# KiCad board P5S533-TVM ISA R101G.kicad_pcb (continued)
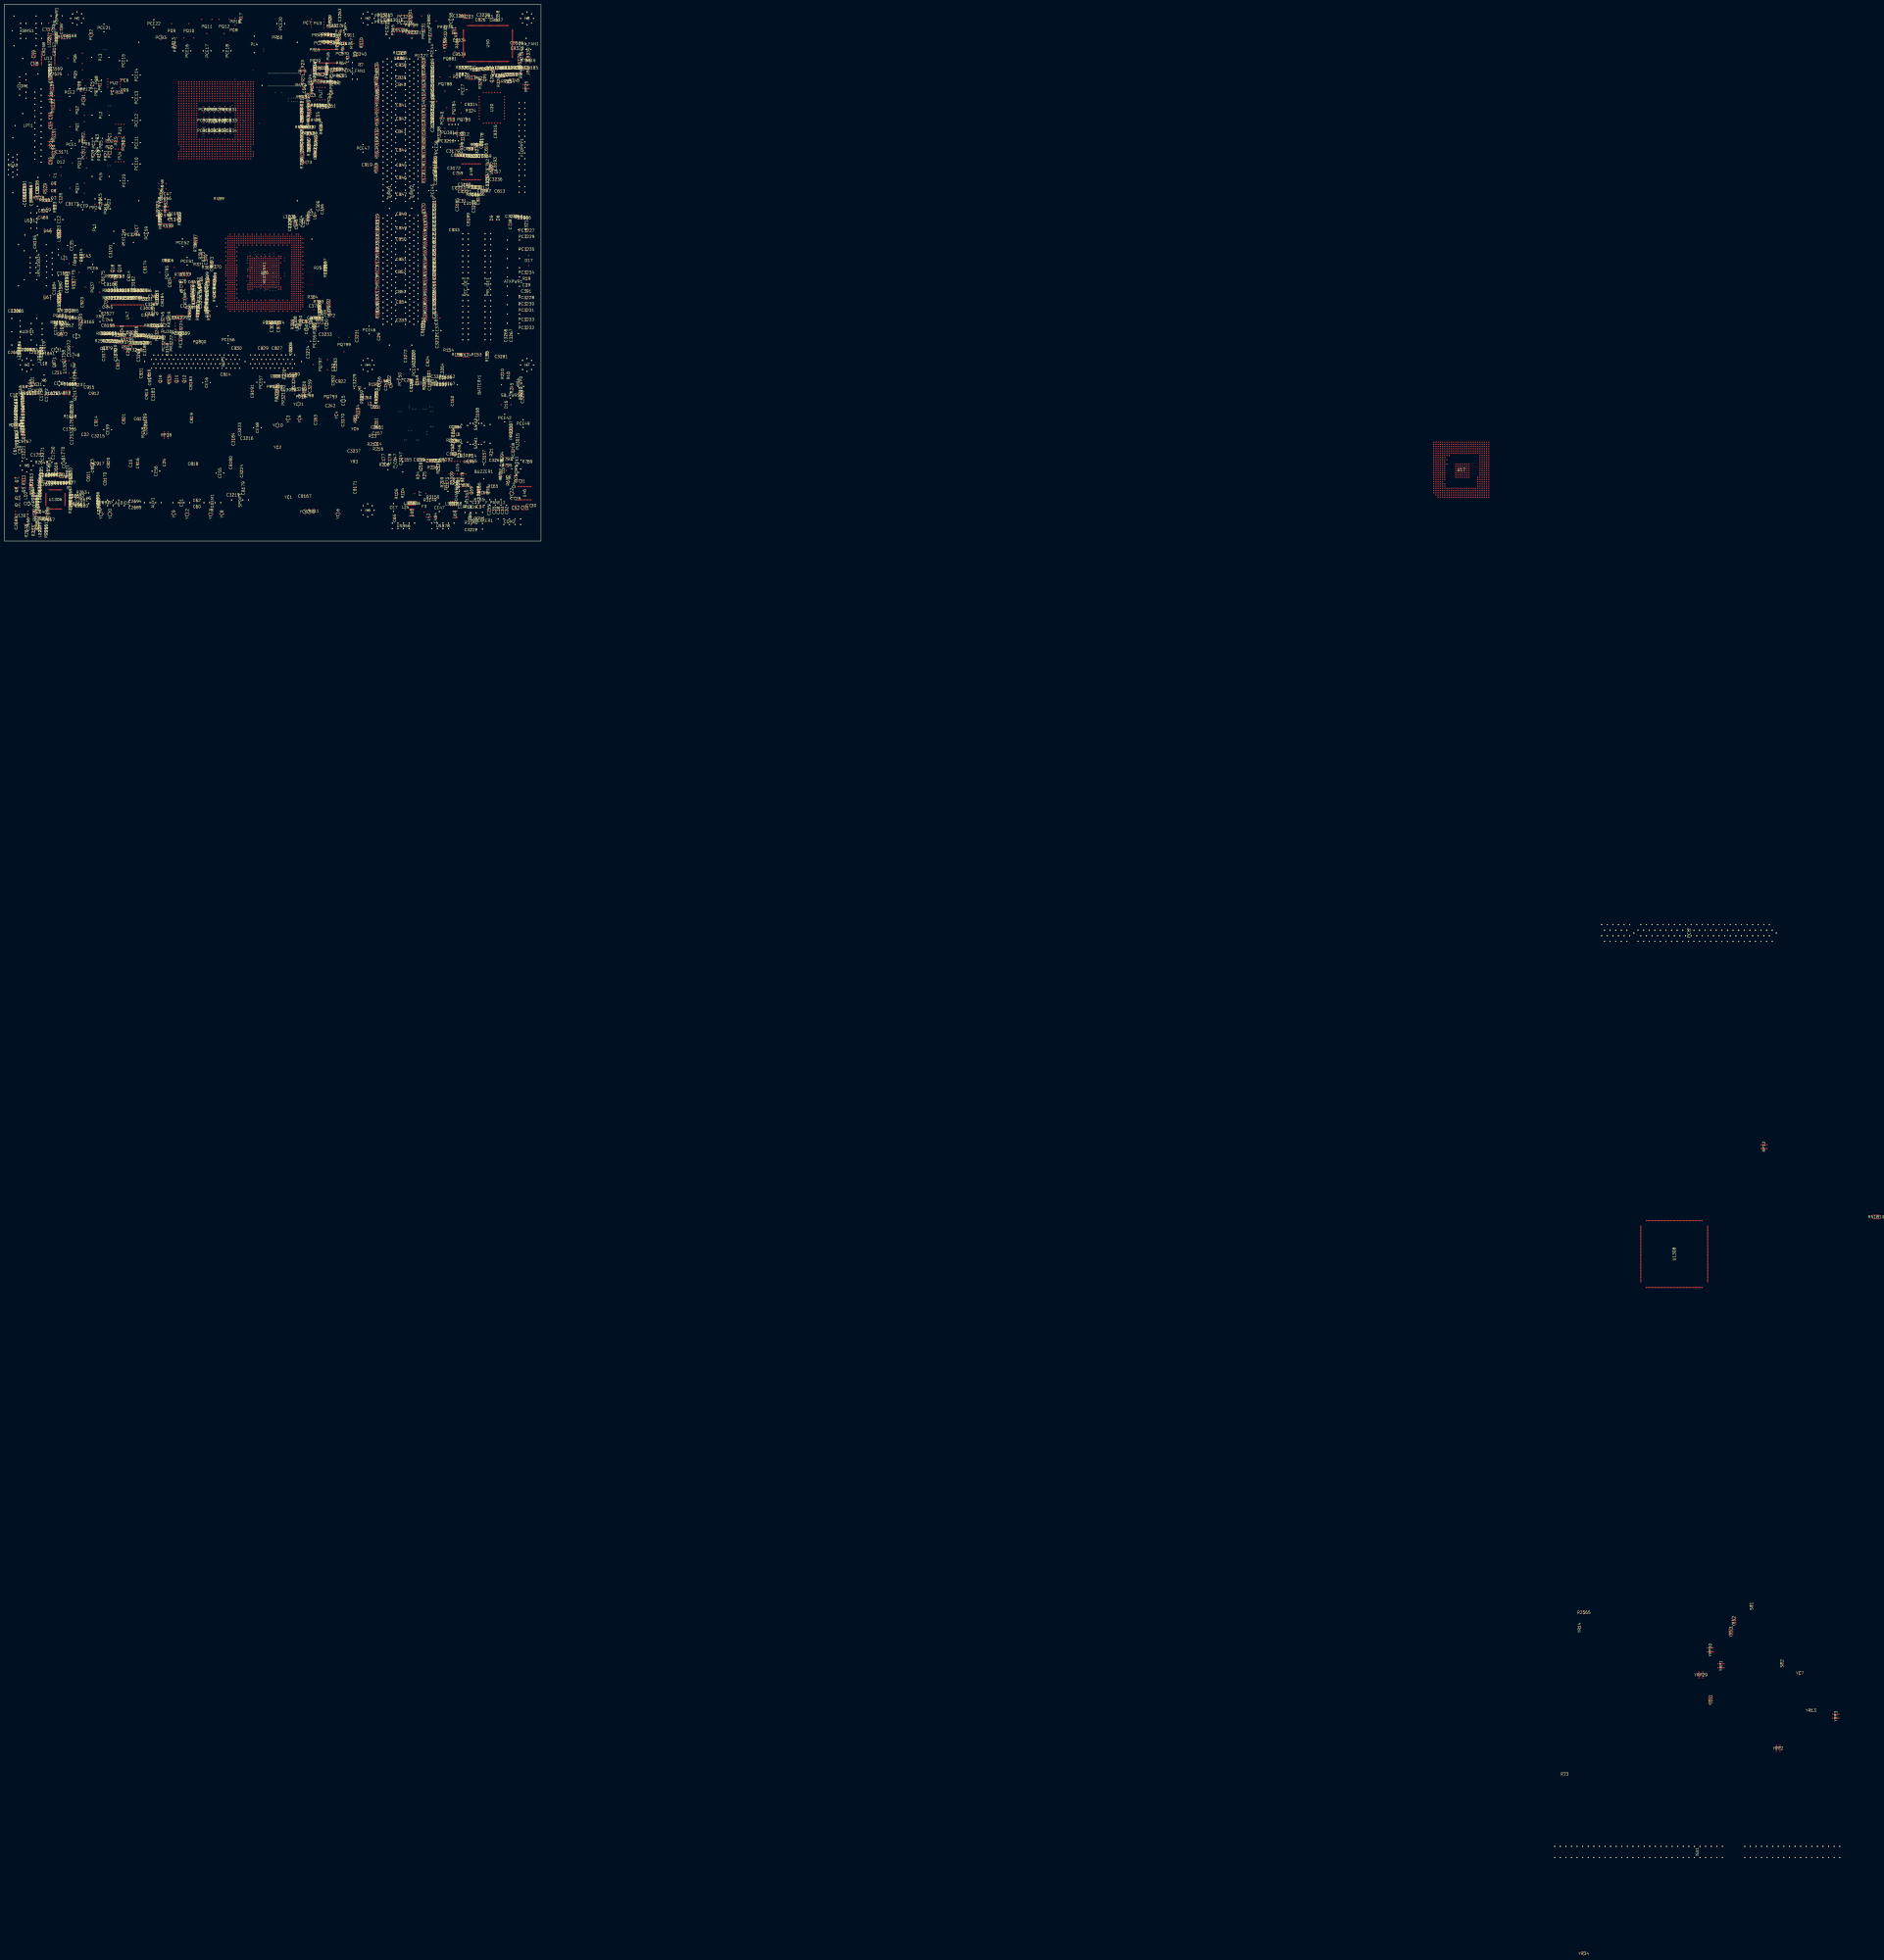
[diagram p0: board, top side]
## Footprints (pads in the part's own frame, mm; a bottom-side part is the same pattern mirrored in y, then rotated) (continued)
SLOT_PCI_120P_100_5V_LF3
  round 0.6 hole 0.4: 1(0,-25.07) 2(0,39.7) 3(3.81,37.795) 4(1.27,36.525) 5(3.81,35.255) 6(1.27,33.985) 7(3.81,32.715) 8(1.27,31.445) 9(3.81,30.175) 10(1.27,28.905) 11(3.81,27.635) 12(1.27,26.365) 13(3.81,25.095) 14(1.27,23.825) 15(3.81,22.555) 16(1.27,21.285) 17(3.81,20.015) 18(1.27,18.745) 19(3.81,17.475) 20(1.27,16.205) 21(3.81,14.935) 22(1.27,13.665) 23(3.81,12.395) 24(1.27,11.125) 25(3.81,9.855) 26(1.27,8.585) 27(3.81,7.315) 28(1.27,6.045) 29(3.81,4.775) 30(1.27,3.505) 31(3.81,2.235) 32(1.27,0.965) 33(3.81,-0.305) 34(1.27,-1.575) 35(3.81,-2.845) 36(1.27,-4.115) 37(3.81,-5.385) 38(1.27,-6.655) 39(3.81,-7.925) 40(1.27,-9.195) 41(3.81,-10.465) 42(1.27,-11.735) 43(3.81,-13.005) 44(1.27,-14.275) 45(3.81,-15.545) 46(1.27,-16.815) 47(3.81,-18.085) 48(1.27,-19.355) 49(3.81,-20.625) 50(1.27,-21.895) 51(3.81,-23.165) 52(1.27,-26.975) 53(3.81,-28.245) 54(1.27,-29.515) 55(3.81,-30.785) 56(1.27,-32.055) 57(3.81,-33.325) 58(1.27,-34.595) 59(3.81,-35.865) 60(1.27,-37.135) 61(3.81,-38.405) 62(1.27,-39.675) 63(-1.27,37.795) 64(-3.81,36.525) 65(-1.27,35.255) 66(-3.81,33.985) 67(-1.27,32.715) 68(-3.81,31.445) 69(-1.27,30.175) 70(-3.81,28.905) 71(-1.27,27.635) 72(-3.81,26.365) 73(-1.27,25.095) 74(-3.81,23.825) 75(-1.27,22.555) 76(-3.81,21.285) 77(-1.27,20.015) 78(-3.81,18.745) 79(-1.27,17.475) 80(-3.81,16.205) 81(-1.27,14.935) 82(-3.81,13.665) 83(-1.27,12.395) 84(-3.81,11.125) 85(-1.27,9.855) 86(-3.81,8.585) 87(-1.27,7.315) 88(-3.81,6.045) 89(-1.27,4.775) 90(-3.81,3.505) 91(-1.27,2.235) 92(-3.81,0.965) 93(-1.27,-0.305) 94(-3.81,-1.575) 95(-1.27,-2.845) 96(-3.81,-4.115) 97(-1.27,-5.385) 98(-3.81,-6.655) 99(-1.27,-7.925) 100(-3.81,-9.195) 101(-1.27,-10.465) 102(-3.81,-11.735) 103(-1.27,-13.005) 104(-3.81,-14.275) 105(-1.27,-15.545) 106(-3.81,-16.815) 107(-1.27,-18.085) 108(-3.81,-19.355) 109(-1.27,-20.625) 110(-3.81,-21.895) 111(-1.27,-23.165) 112(-3.81,-26.975) 113(-1.27,-28.245) 114(-3.81,-29.515) 115(-1.27,-30.785) 116(-3.81,-32.055) 117(-1.27,-33.325) 118(-3.81,-34.595) 119(-1.27,-35.865) 120(-3.81,-37.135) 121(-1.27,-38.405) 122(-3.81,-39.675)
SMA
  round 0.6 smd: 1(0,-2.261) 2(0,2.261)
SO8
  round 0.6 smd: 1(2.819,-1.905) 2(2.819,-0.635) 3(2.819,0.635) 4(2.819,1.905) 5(-2.819,1.905) 6(-2.819,0.635) 7(-2.819,-0.635) 8(-2.819,-1.905)
SO8_H69
  round 0.6 smd: 1(2.819,-1.905) 2(2.819,-0.635) 3(2.819,0.635) 4(2.819,1.905) 5(-2.819,1.905) 6(-2.819,0.635) 7(-2.819,-0.635) 8(-2.819,-1.905)
SOCKET775
  round 0.6 hole 0.4: 1(36.017,-36.017) 2(36.017,35.992) 3(-35.992,35.992) 4(-35.992,-36.017)
  round 0.6 smd: 5(-14.834,16.866) 6(-13.665,16.866) 7(-12.497,16.866) 8(-11.328,16.866) 9(-10.16,16.866) 10(-8.992,16.866) 11(-7.823,16.866) 12(-6.655,16.866) 13(-5.486,16.866) 14(-4.318,16.866) 15(-3.15,16.866) 16(-1.981,16.866) 17(-0.813,16.866) 18(0.356,16.866) 19(1.524,16.866) 20(2.692,16.866) 21(3.861,16.866) 22(5.029,16.866) 23(6.198,16.866) 24(7.366,16.866) 25(8.534,16.866) 26(9.703,16.866) 27(10.871,16.866) 28(12.04,16.866) 29(13.208,16.866) 30(14.376,16.866) 31(15.545,16.866) 32(16.713,16.866) 33(17.882,16.866) 34(-16.002,-4.978) 35(-14.834,-4.978) 36(-13.665,-4.978) 37(-12.497,-4.978) 38(-11.328,-4.978) 39(-10.16,-4.978) 40(-8.992,-4.978) 41(-7.823,-4.978) 42(9.703,-4.978) 43(10.871,-4.978) 44(12.04,-4.978) 45(13.208,-4.978) 46(14.376,-4.978) 47(15.545,-4.978) 48(16.713,-4.978) 49(17.882,-4.978) 50(-16.002,-6.071) 51(-14.834,-6.071) 52(-13.665,-6.071) 53(-12.497,-6.071) 54(-11.328,-6.071) 55(-10.16,-6.071) 56(-8.992,-6.071) 57(-7.823,-6.071) 58(9.703,-6.071) 59(10.871,-6.071) 60(12.04,-6.071) 61(13.208,-6.071) 62(14.376,-6.071) 63(15.545,-6.071) 64(16.713,-6.071) 65(17.882,-6.071) 66(-16.002,-7.163) 67(-14.834,-7.163) 68(-13.665,-7.163) 69(-12.497,-7.163) 70(-11.328,-7.163) 71(-10.16,-7.163) 72(-8.992,-7.163) 73(-7.823,-7.163) 74(9.703,-7.163) 75(10.871,-7.163) 76(12.04,-7.163) 77(13.208,-7.163) 78(14.376,-7.163) 79(15.545,-7.163) 80(16.713,-7.163) 81(17.882,-7.163) 82(-16.002,-8.255) 83(-14.834,-8.255) 84(-13.665,-8.255) 85(-12.497,-8.255) 86(-11.328,-8.255) 87(-10.16,-8.255) 88(-8.992,-8.255) 89(-7.823,-8.255) 90(9.703,-8.255) 91(10.871,-8.255) 92(12.04,-8.255) 93(13.208,-8.255) 94(14.376,-8.255) 95(15.545,-8.255) 96(16.713,-8.255) 97(17.882,-8.255) 98(-16.002,-9.347) 99(-14.834,-9.347) 100(-13.665,-9.347) 101(-12.497,-9.347) 102(-11.328,-9.347) 103(-10.16,-9.347) 104(-8.992,-9.347) 105(-7.823,-9.347) 106(-6.655,-9.347) 107(-5.486,-9.347) 108(-4.318,-9.347) 109(-3.15,-9.347) 110(-1.981,-9.347) 111(-0.813,-9.347) 112(0.356,-9.347) 113(1.524,-9.347) 114(2.692,-9.347) 115(3.861,-9.347) 116(5.029,-9.347) 117(6.198,-9.347) 118(7.366,-9.347) 119(8.534,-9.347) 120(9.703,-9.347) 121(10.871,-9.347) 122(12.04,-9.347) 123(13.208,-9.347) 124(14.376,-9.347) 125(15.545,-9.347) 126(16.713,-9.347) 127(17.882,-9.347) 128(-16.002,-10.439) 129(-14.834,-10.439) 130(-13.665,-10.439) 131(-12.497,-10.439) 132(-11.328,-10.439) 133(-10.16,-10.439) 134(-8.992,-10.439) 135(-7.823,-10.439) 136(-6.655,-10.439) 137(-5.486,-10.439) 138(-4.318,-10.439) 139(-3.15,-10.439) 140(-1.981,-10.439) 141(-0.813,-10.439) 142(0.356,-10.439) 143(1.524,-10.439) 144(2.692,-10.439) 145(3.861,-10.439) 146(5.029,-10.439) 147(6.198,-10.439) 148(7.366,-10.439) 149(8.534,-10.439) 150(9.703,-10.439) 151(10.871,-10.439) 152(12.04,-10.439) 153(13.208,-10.439) 154(14.376,-10.439) 155(15.545,-10.439) 156(16.713,-10.439) 157(17.882,-10.439) 158(-16.002,-11.532) 159(-14.834,-11.532) 160(-13.665,-11.532) 161(-12.497,-11.532) 162(-11.328,-11.532) 163(-10.16,-11.532) 164(-8.992,-11.532) 165(-7.823,-11.532) 166(-6.655,-11.532) 167(-5.486,-11.532) 168(-4.318,-11.532) 169(-3.15,-11.532) 170(-1.981,-11.532) 171(-0.813,-11.532) 172(0.356,-11.532) 173(1.524,-11.532) 174(2.692,-11.532) 175(3.861,-11.532) 176(5.029,-11.532) 177(6.198,-11.532) 178(7.366,-11.532) 179(8.534,-11.532) 180(9.703,-11.532) 181(10.871,-11.532) 182(12.04,-11.532) 183(13.208,-11.532) 184(14.376,-11.532) 185(15.545,-11.532) 186(16.713,-11.532) 187(17.882,-11.532) 188(-16.002,-12.624) 189(-14.834,-12.624) 190(-13.665,-12.624) 191(-12.497,-12.624) 192(-11.328,-12.624) 193(-10.16,-12.624) 194(-8.992,-12.624) 195(-7.823,-12.624) 196(-6.655,-12.624) 197(-5.486,-12.624) 198(-4.318,-12.624) 199(-3.15,-12.624) 200(-1.981,-12.624) 201(-0.813,-12.624) 202(0.356,-12.624) 203(1.524,-12.624) 204(2.692,-12.624) 205(3.861,-12.624) 206(5.029,-12.624) 207(6.198,-12.624) 208(7.366,-12.624) 209(8.534,-12.624) 210(9.703,-12.624) 211(10.871,-12.624) 212(12.04,-12.624) 213(13.208,-12.624) 214(14.376,-12.624) 215(15.545,-12.624) 216(16.713,-12.624) 217(17.882,-12.624) 218(-16.002,-13.716) 219(-14.834,-13.716) 220(-13.665,-13.716) 221(-12.497,-13.716) 222(-11.328,-13.716) 223(-10.16,-13.716) 224(-8.992,-13.716) 225(-7.823,-13.716) 226(-6.655,-13.716) 227(-5.486,-13.716) 228(-4.318,-13.716) 229(-3.15,-13.716) 230(-1.981,-13.716) 231(-0.813,-13.716) 232(0.356,-13.716) 233(1.524,-13.716) 234(2.692,-13.716) 235(3.861,-13.716) 236(5.029,-13.716) 237(6.198,-13.716) 238(7.366,-13.716) 239(8.534,-13.716) 240(9.703,-13.716) 241(10.871,-13.716) 242(12.04,-13.716) 243(13.208,-13.716) 244(14.376,-13.716) 245(15.545,-13.716) 246(16.713,-13.716) 247(17.882,-13.716) 248(-16.002,-14.808) 249(-14.834,-14.808) 250(-13.665,-14.808) 251(-12.497,-14.808) 252(-11.328,-14.808) 253(-10.16,-14.808) 254(-8.992,-14.808) 255(-7.823,-14.808) 256(-6.655,-14.808) 257(-5.486,-14.808) 258(-4.318,-14.808) 259(-3.15,-14.808) 260(-1.981,-14.808) 261(-0.813,-14.808) 262(0.356,-14.808) 263(1.524,-14.808) 264(2.692,-14.808) 265(3.861,-14.808) 266(5.029,-14.808) 267(6.198,-14.808) 268(7.366,-14.808) 269(8.534,-14.808) 270(9.703,-14.808) 271(10.871,-14.808) 272(12.04,-14.808) 273(13.208,-14.808) 274(14.376,-14.808) 275(15.545,-14.808) 276(16.713,-14.808) 277(17.882,-14.808) 278(-16.002,-15.9) 279(-14.834,-15.9) 280(-13.665,-15.9) 281(-12.497,-15.9) 282(-11.328,-15.9) 283(-10.16,-15.9) 284(-8.992,-15.9) 285(-7.823,-15.9) 286(-6.655,-15.9) 287(-5.486,-15.9) 288(-4.318,-15.9) 289(-3.15,-15.9) 290(-1.981,-15.9) 291(-0.813,-15.9) 292(0.356,-15.9) 293(1.524,-15.9) 294(2.692,-15.9) 295(3.861,-15.9) 296(5.029,-15.9) 297(6.198,-15.9) 298(7.366,-15.9) 299(8.534,-15.9) 300(9.703,-15.9) 301(10.871,-15.9) 302(12.04,-15.9) 303(13.208,-15.9) 304(14.376,-15.9) 305(15.545,-15.9) 306(16.713,-15.9) 307(17.882,-15.9) 308(-16.002,-16.993) 309(-14.834,-16.993) 310(-13.665,-16.993) 311(-12.497,-16.993) 312(-11.328,-16.993) 313(-10.16,-16.993) 314(-8.992,-16.993) 315(-7.823,-16.993) 316(-6.655,-16.993) 317(-5.486,-16.993) 318(-4.318,-16.993) 319(-3.15,-16.993) 320(-1.981,-16.993) 321(-0.813,-16.993) 322(0.356,-16.993) 323(1.524,-16.993) 324(2.692,-16.993) 325(3.861,-16.993) 326(5.029,-16.993) 327(6.198,-16.993) 328(7.366,-16.993) 329(8.534,-16.993) 330(9.703,-16.993) 331(10.871,-16.993) 332(12.04,-16.993) 333(13.208,-16.993) 334(14.376,-16.993) 335(15.545,-16.993) 336(16.713,-16.993) 337(17.882,-16.993) 338(-16.002,-18.085) 339(-14.834,-18.085) 340(-13.665,-18.085) 341(-12.497,-18.085) 342(-11.328,-18.085) 343(-10.16,-18.085) 344(-8.992,-18.085) 345(-7.823,-18.085) 346(-6.655,-18.085) 347(-5.486,-18.085) 348(-4.318,-18.085) 349(-3.15,-18.085) 350(-1.981,-18.085) 351(-0.813,-18.085) 352(0.356,-18.085) 353(1.524,-18.085) 354(2.692,-18.085) 355(3.861,-18.085) 356(5.029,-18.085) 357(6.198,-18.085) 358(7.366,-18.085) 359(8.534,-18.085) 360(9.703,-18.085) 361(10.871,-18.085) 362(12.04,-18.085) 363(13.208,-18.085) 364(14.376,-18.085) 365(15.545,-18.085) 366(16.713,-18.085) 367(17.882,-18.085) 368(-16.002,15.773) 369(-14.834,15.773) 370(-13.665,15.773) 371(-12.497,15.773) 372(-11.328,15.773) 373(-10.16,15.773) 374(-8.992,15.773) 375(-7.823,15.773) 376(-6.655,15.773) 377(-5.486,15.773) 378(-4.318,15.773) 379(-3.15,15.773) 380(-1.981,15.773) 381(-0.813,15.773) 382(0.356,15.773) 383(1.524,15.773) 384(2.692,15.773) 385(3.861,15.773) 386(5.029,15.773) 387(6.198,15.773) 388(7.366,15.773) 389(8.534,15.773) 390(9.703,15.773) 391(10.871,15.773) 392(12.04,15.773) 393(13.208,15.773) 394(14.376,15.773) 395(15.545,15.773) 396(16.713,15.773) 397(17.882,15.773) 398(-16.002,14.681) 399(-14.834,14.681) 400(-13.665,14.681) 401(-12.497,14.681) 402(-11.328,14.681) 403(-10.16,14.681) 404(-8.992,14.681) 405(-7.823,14.681) 406(-6.655,14.681) 407(-5.486,14.681) 408(-4.318,14.681) 409(-3.15,14.681) 410(-1.981,14.681) 411(-0.813,14.681) 412(0.356,14.681) 413(1.524,14.681) 414(2.692,14.681) 415(3.861,14.681) 416(5.029,14.681) 417(6.198,14.681) 418(7.366,14.681) 419(8.534,14.681) 420(9.703,14.681) 421(10.871,14.681) 422(12.04,14.681) 423(13.208,14.681) 424(14.376,14.681) 425(15.545,14.681) 426(16.713,14.681) 427(17.882,14.681) 428(-16.002,13.589) 429(-14.834,13.589) 430(-13.665,13.589) 431(-12.497,13.589) 432(-11.328,13.589) 433(-10.16,13.589) 434(-8.992,13.589) 435(-7.823,13.589) 436(-6.655,13.589) 437(-5.486,13.589) 438(-4.318,13.589) 439(-3.15,13.589) 440(-1.981,13.589) 441(-0.813,13.589) 442(0.356,13.589) 443(1.524,13.589) 444(2.692,13.589) 445(3.861,13.589) 446(5.029,13.589) 447(6.198,13.589) 448(7.366,13.589) 449(8.534,13.589) 450(9.703,13.589) 451(10.871,13.589) 452(12.04,13.589) 453(13.208,13.589) 454(14.376,13.589) 455(15.545,13.589) 456(16.713,13.589) 457(17.882,13.589) 458(-14.834,12.497) 459(-13.665,12.497) 460(-12.497,12.497) 461(-11.328,12.497) 462(-10.16,12.497) 463(-8.992,12.497) 464(-7.823,12.497) 465(-6.655,12.497) 466(-5.486,12.497) 467(-4.318,12.497) 468(-3.15,12.497) 469(-1.981,12.497) 470(-0.813,12.497) 471(0.356,12.497) 472(1.524,12.497) 473(2.692,12.497) 474(3.861,12.497) 475(5.029,12.497) 476(6.198,12.497) 477(7.366,12.497) 478(8.534,12.497) 479(9.703,12.497) 480(10.871,12.497) 481(12.04,12.497) 482(13.208,12.497) 483(14.376,12.497) 484(15.545,12.497) 485(16.713,12.497) 486(-14.834,11.405) 487(-13.665,11.405) 488(-12.497,11.405) 489(-11.328,11.405) 490(-10.16,11.405) 491(-8.992,11.405) 492(-7.823,11.405) 493(-6.655,11.405) 494(-5.486,11.405) 495(-4.318,11.405) 496(-3.15,11.405) 497(-1.981,11.405) 498(-0.813,11.405) 499(0.356,11.405) 500(1.524,11.405) 501(2.692,11.405) 502(3.861,11.405) 503(5.029,11.405) 504(6.198,11.405) 505(7.366,11.405) 506(8.534,11.405) 507(9.703,11.405) 508(10.871,11.405) 509(12.04,11.405) 510(13.208,11.405) 511(14.376,11.405) 512(15.545,11.405) 513(16.713,11.405) 514(-16.002,10.312) 515(-14.834,10.312) 516(-13.665,10.312) 517(-12.497,10.312) 518(-11.328,10.312) 519(-10.16,10.312) 520(-8.992,10.312) 521(-7.823,10.312) 522(-6.655,10.312) 523(-5.486,10.312) 524(-4.318,10.312) 525(-3.15,10.312) 526(-1.981,10.312) 527(-0.813,10.312) 528(0.356,10.312) 529(1.524,10.312) 530(2.692,10.312) 531(3.861,10.312) 532(5.029,10.312) 533(6.198,10.312) 534(7.366,10.312) 535(8.534,10.312) 536(9.703,10.312) 537(10.871,10.312) 538(12.04,10.312) 539(13.208,10.312) 540(14.376,10.312) 541(15.545,10.312) 542(16.713,10.312) 543(17.882,10.312) 544(-16.002,9.22) 545(-14.834,9.22) 546(-13.665,9.22) 547(-12.497,9.22) 548(-11.328,9.22) 549(-10.16,9.22) 550(-8.992,9.22) 551(-7.823,9.22) 552(-6.655,9.22) 553(-5.486,9.22) 554(-4.318,9.22) 555(-3.15,9.22) 556(-1.981,9.22) 557(-0.813,9.22) 558(0.356,9.22) 559(1.524,9.22) 560(2.692,9.22) 561(3.861,9.22) 562(5.029,9.22) 563(6.198,9.22) 564(7.366,9.22) 565(8.534,9.22) 566(9.703,9.22) 567(10.871,9.22) 568(12.04,9.22) 569(13.208,9.22) 570(14.376,9.22) 571(15.545,9.22) 572(16.713,9.22) 573(17.882,9.22) 574(-16.002,8.128) 575(-14.834,8.128) 576(-13.665,8.128) 577(-12.497,8.128) 578(-11.328,8.128) 579(-10.16,8.128) 580(-8.992,8.128) 581(-7.823,8.128) 582(-6.655,8.128) 583(-5.486,8.128) 584(-4.318,8.128) 585(-3.15,8.128) 586(-1.981,8.128) 587(-0.813,8.128) 588(0.356,8.128) 589(1.524,8.128) 590(2.692,8.128) 591(3.861,8.128) 592(5.029,8.128) 593(6.198,8.128) 594(7.366,8.128) 595(8.534,8.128) 596(9.703,8.128) 597(10.871,8.128) 598(12.04,8.128) 599(13.208,8.128) 600(14.376,8.128) 601(15.545,8.128) 602(16.713,8.128) 603(17.882,8.128) 604(-16.002,7.036) 605(-14.834,7.036) 606(-13.665,7.036) 607(-12.497,7.036) 608(-11.328,7.036) 609(-10.16,7.036) 610(-8.992,7.036) 611(-7.823,7.036) 612(9.703,7.036) 613(10.871,7.036) 614(12.04,7.036) 615(13.208,7.036) 616(14.376,7.036) 617(15.545,7.036) 618(16.713,7.036) 619(17.882,7.036) 620(-16.002,5.944) 621(-14.834,5.944) 622(-13.665,5.944) 623(-12.497,5.944) 624(-11.328,5.944) 625(-10.16,5.944) 626(-8.992,5.944) 627(-7.823,5.944) 628(9.703,5.944) 629(10.871,5.944) 630(12.04,5.944) 631(13.208,5.944) 632(14.376,5.944) 633(15.545,5.944) 634(16.713,5.944) 635(17.882,5.944) 636(-16.002,4.851) 637(-14.834,4.851) 638(-13.665,4.851) 639(-12.497,4.851) 640(-11.328,4.851) 641(-10.16,4.851) 642(-8.992,4.851) 643(-7.823,4.851) 644(9.703,4.851) 645(10.871,4.851) 646(12.04,4.851) 647(13.208,4.851) 648(14.376,4.851) 649(15.545,4.851) 650(16.713,4.851) 651(17.882,4.851) 652(-16.002,3.759) 653(-14.834,3.759) 654(-13.665,3.759) 655(-12.497,3.759) 656(-11.328,3.759) 657(-10.16,3.759) 658(-8.992,3.759) 659(-7.823,3.759) 660(9.703,3.759) 661(10.871,3.759) 662(12.04,3.759) 663(13.208,3.759) 664(14.376,3.759) 665(15.545,3.759) 666(16.713,3.759) 667(17.882,3.759) 668(-16.002,2.667) 669(-14.834,2.667) 670(-13.665,2.667) 671(-12.497,2.667) 672(-11.328,2.667) 673(-10.16,2.667) 674(-8.992,2.667) 675(-7.823,2.667) 676(9.703,2.667) 677(10.871,2.667) 678(12.04,2.667) 679(13.208,2.667) 680(14.376,2.667) 681(15.545,2.667) 682(16.713,2.667) 683(17.882,2.667) 684(-16.002,1.575) 685(-14.834,1.575) 686(-13.665,1.575) 687(-12.497,1.575) 688(-11.328,1.575) 689(-10.16,1.575) 690(-8.992,1.575) 691(-7.823,1.575) 692(9.703,1.575) 693(10.871,1.575) 694(12.04,1.575) 695(13.208,1.575) 696(14.376,1.575) 697(15.545,1.575) 698(16.713,1.575) 699(17.882,1.575) 700(-16.002,0.483) 701(-14.834,0.483) 702(-13.665,0.483) 703(-12.497,0.483) 704(-11.328,0.483) 705(-10.16,0.483) 706(-8.992,0.483) 707(-7.823,0.483) 708(9.703,0.483) 709(10.871,0.483) 710(12.04,0.483) 711(13.208,0.483) 712(14.376,0.483) 713(15.545,0.483) 714(16.713,0.483) 715(17.882,0.483) 716(-16.002,-0.61) 717(-14.834,-0.61) 718(-13.665,-0.61) 719(-12.497,-0.61) 720(-11.328,-0.61) 721(-10.16,-0.61) 722(-8.992,-0.61) 723(-7.823,-0.61) 724(9.703,-0.61) 725(10.871,-0.61) 726(12.04,-0.61) 727(13.208,-0.61) 728(14.376,-0.61) 729(15.545,-0.61) 730(16.713,-0.61) 731(17.882,-0.61) 732(-16.002,-1.702) 733(-14.834,-1.702) 734(-13.665,-1.702) 735(-12.497,-1.702) 736(-11.328,-1.702) 737(-10.16,-1.702) 738(-8.992,-1.702) 739(-7.823,-1.702) 740(9.703,-1.702) 741(10.871,-1.702) 742(12.04,-1.702) 743(13.208,-1.702) 744(14.376,-1.702) 745(15.545,-1.702) 746(16.713,-1.702) 747(17.882,-1.702) 748(-16.002,-2.794) 749(-14.834,-2.794) 750(-13.665,-2.794) 751(-12.497,-2.794) 752(-11.328,-2.794) 753(-10.16,-2.794) 754(-8.992,-2.794) 755(-7.823,-2.794) 756(9.703,-2.794) 757(10.871,-2.794) 758(12.04,-2.794) 759(13.208,-2.794) 760(14.376,-2.794) 761(15.545,-2.794) 762(16.713,-2.794) 763(17.882,-2.794) 764(-16.002,-3.886) 765(-14.834,-3.886) 766(-13.665,-3.886) 767(-12.497,-3.886) 768(-11.328,-3.886) 769(-10.16,-3.886) 770(-8.992,-3.886) 771(-7.823,-3.886) 772(9.703,-3.886) 773(10.871,-3.886) 774(12.04,-3.886) 775(13.208,-3.886) 776(14.376,-3.886) 777(15.545,-3.886) 778(16.713,-3.886) 779(17.882,-3.886)
SOD323
  round 0.6 smd: 1(0,-1.295) 2(0,1.295)
SOIC_8P_50_197X236
  round 0.6 smd: 1(2.845,-1.905) 2(2.845,-0.635) 3(2.845,0.635) 4(2.845,1.905) 5(-2.87,1.905) 6(-2.87,0.635) 7(-2.87,-0.635) 8(-2.87,-1.905)
SOIC_8P_50_197X236#2
  round 0.6 smd: 1(2.87,-1.905) 2(2.87,-0.635) 3(2.87,0.635) 4(2.87,1.905) 5(-2.845,1.905) 6(-2.845,0.635) 7(-2.845,-0.635) 8(-2.845,-1.905)
SOIC_8P_50_199X236_VIAS_CHA
  round 0.6 smd: 1(2.083,-1.905) 2(2.083,-0.635) 3(2.083,0.635) 4(2.083,1.905) 5(-3.556,1.905) 6(-3.556,0.635) 7(-3.556,-0.635) 8(-3.556,-1.905) 9(-0.737,0)
  round 0.6 hole 0.4: 10(-4.013,-3.708) 11(-2.616,-3.708) 12(-1.219,-3.708) 13(0.178,-3.708) 14(-4.013,3.708) 15(-2.616,3.708) 16(-1.219,3.708) 17(0.178,3.708) 18(4.039,-0.635)
SOIC_14P_50_341X236
  round 0.6 smd: 1(2.845,-3.81) 2(2.845,-2.54) 3(2.845,-1.27) 4(2.845,0) 5(2.845,1.27) 6(2.845,2.54) 7(2.845,3.81) 8(-2.845,3.81) 9(-2.845,2.54) 10(-2.845,1.27) 11(-2.845,0) 12(-2.845,-1.27) 13(-2.845,-2.54) 14(-2.845,-3.81)
SOIC_14P_50_341X236_H69
  round 0.6 smd: 1(2.845,-3.81) 2(2.845,-2.54) 3(2.845,-1.27) 4(2.845,0) 5(2.845,1.27) 6(2.845,2.54) 7(2.845,3.81) 8(-2.845,3.81) 9(-2.845,2.54) 10(-2.845,1.27) 11(-2.845,0) 12(-2.845,-1.27) 13(-2.845,-2.54) 14(-2.845,-3.81)
SOIC_20P_26_256X252
  round 0.6 smd: 1(3.023,-2.921) 2(3.023,-2.286) 3(3.023,-1.626) 4(3.023,-0.965) 5(3.023,-0.33) 6(3.023,0.33) 7(3.023,0.965) 8(3.023,1.626) 9(3.023,2.286) 10(3.023,2.921) 11(-3.023,2.921) 12(-3.023,2.286) 13(-3.023,1.626) 14(-3.023,0.965) 15(-3.023,0.33) 16(-3.023,-0.33) 17(-3.023,-0.965) 18(-3.023,-1.626) 19(-3.023,-2.286) 20(-3.023,-2.921)
SOIC_28P_25_402X307
  round 0.6 smd: 1(3.632,-4.216) 2(3.632,-3.581) 3(3.632,-2.921) 4(3.632,-2.286) 5(3.632,-1.626) 6(3.632,-0.965) 7(3.632,-0.33) 8(3.632,0.33) 9(3.632,0.965) 10(3.632,1.626) 11(3.632,2.286) 12(3.632,2.921) 13(3.632,3.581) 14(3.632,4.216) 15(-3.632,4.216) 16(-3.632,3.581) 17(-3.632,2.921) 18(-3.632,2.286) 19(-3.632,1.626) 20(-3.632,0.965) 21(-3.632,0.33) 22(-3.632,-0.33) 23(-3.632,-0.965) 24(-3.632,-1.626) 25(-3.632,-2.286) 26(-3.632,-2.921) 27(-3.632,-3.581) 28(-3.632,-4.216)
SOIC_28P_26_386X251
  round 0.6 smd: 1(3.048,-4.216) 2(3.048,-3.581) 3(3.048,-2.921) 4(3.048,-2.286) 5(3.048,-1.626) 6(3.048,-0.965) 7(3.048,-0.33) 8(3.048,0.33) 9(3.048,0.965) 10(3.048,1.626) 11(3.048,2.286) 12(3.048,2.921) 13(3.048,3.581) 14(3.048,4.216) 15(-3.048,4.216) 16(-3.048,3.581) 17(-3.048,2.921) 18(-3.048,2.286) 19(-3.048,1.626) 20(-3.048,0.965) 21(-3.048,0.33) 22(-3.048,-0.33) 23(-3.048,-0.965) 24(-3.048,-1.626) 25(-3.048,-2.286) 26(-3.048,-2.921) 27(-3.048,-3.581) 28(-3.048,-4.216)
SOIC_48P_25_625X406
  round 0.6 smd: 1(4.826,-7.29) 2(4.826,-6.655) 3(4.826,-6.02) 4(4.826,-5.385) 5(4.826,-4.75) 6(4.826,-4.115) 7(4.826,-3.48) 8(4.826,-2.845) 9(4.826,-2.21) 10(4.826,-1.575) 11(4.826,-0.94) 12(4.826,-0.305) 13(4.826,0.33) 14(4.826,0.965) 15(4.826,1.6) 16(4.826,2.235) 17(4.826,2.87) 18(4.826,3.505) 19(4.826,4.14) 20(4.826,4.775) 21(4.826,5.41) 22(4.826,6.045) 23(4.826,6.68) 24(4.826,7.315) 25(-4.826,7.29) 26(-4.826,6.655) 27(-4.826,6.02) 28(-4.826,5.385) 29(-4.826,4.75) 30(-4.826,4.115) 31(-4.826,3.48) 32(-4.826,2.845) 33(-4.826,2.21) 34(-4.826,1.575) 35(-4.826,0.94) 36(-4.826,0.305) 37(-4.826,-0.33) 38(-4.826,-0.965) 39(-4.826,-1.6) 40(-4.826,-2.235) 41(-4.826,-2.87) 42(-4.826,-3.505) 43(-4.826,-4.14) 44(-4.826,-4.775) 45(-4.826,-5.41) 46(-4.826,-6.045) 47(-4.826,-6.68) 48(-4.826,-7.315)
SOT23
  round 0.6 smd: 1(1.041,-0.94) 2(1.041,0.94) 3(-1.041,0)
SOT23_H43
  round 0.6 smd: 1(1.041,-0.94) 2(1.041,0.94) 3(-1.041,0)
SOT23_H49
  round 0.6 smd: 1(1.041,-0.94) 2(1.041,0.94) 3(-1.041,0)
SOT23_H55
  round 0.6 smd: 1(1.041,-0.94) 2(1.041,0.94) 3(-1.041,0)
SOT23_S6_H43
  round 0.6 smd: 1(1.448,-0.94) 2(1.448,0) 3(1.448,0.94) 4(-1.448,0.94) 5(-1.448,0) 6(-1.448,-0.94)
SOT89
  round 0.6 smd: 1(-1.499,-0.965) 2(0,0.94) 3(1.499,-0.965)
SOT323
  round 0.6 smd: 1(0.991,-0.66) 2(0.991,0.66) 3(-0.965,0)
SOT346
  round 0.6 smd: 1(1.168,-0.94) 2(1.168,0.94) 3(-1.168,0)
TO251_H283_LF3
  round 0.6 hole 0.4: 1(0,-2.261) 2(0,0) 3(0,2.286)
TP30-68
  round 0.6 smd: 1(0,0)
TP_BD40
  round 0.6 smd: 1(0,0)
USB_2X4P_LF3
  round 0.6 hole 0.4: 1(0.152,-3.505) 2(0.152,-0.991) 3(0.152,1.016) 4(0.152,3.505) 5(-2.489,-3.505) 6(-2.489,-0.991) 7(-2.489,1.016) 8(-2.489,3.505) 9(2.845,6.579) 10(2.845,-6.553) 11(-2.819,6.579) 12(-2.819,-6.553)
WAFER_BOX_1X4P_100_4W_LF3
  round 0.6 hole 0.4: 1(0,-3.81) 2(0,-1.27) 3(0,1.27) 4(0,3.81)
WAFER_HD_1X3P_79_HOLD_LF3
  round 0.6 hole 0.4: 1(0.787,-2.007) 2(0.787,0) 3(0.787,1.981) 4(-0.813,-1.016)
WF_HD_1X3P_100_HD_FOX_LF3
  round 0.6 hole 0.4: 1(-1.092,-2.54) 2(-1.092,0) 3(-1.092,2.54) 4(1.067,-2.54)

## Nets
/3VSBSW#: PR3237.2 PRN395.7 U26.308
/660VSYNC: R407.1 U26.405
/+1.8V: C29.2 C30.2 C135.1 C155.1 C156.1 C158.1 C159.1 C160.1 C161.1 C169.1 C236.1 C237.1 C358.1 C368.1 C922.1 C3209.1 C3228.1 C3229.1 C3230.1 C3231.2 C3232.2 C3233.2 C3234.2 C3272.1 C3283.2 C3284.2 CB78.1 CB83.1 CB84.1 CB85.1 CB86.1 CB87.1 CB88.1 CB89.1 CB159.1 CB160.1 D7.2 D8.2 D9.2 L4.1 L5.1 L6.1 L7.1 L49.1 L51.1 L65.1 L3029.1 PCE54.1 PCE55.1 PQ799.3 PQ800.2 PRN399.6 PRN399.8 R11.2 R374.1 R382.2 U17.29 U17.51 U17.54 U17.56 U17.58 U17.303 U17.351 U17.377 U17.395 U17.413 U17.418 U17.423 U17.431 U17.441 U17.449 U17.453 U17.467 U17.478 U17.482 U17.484 U17.489 U17.499 U17.500 U17.504 U26.26 U26.27 U26.38 U26.54 U26.89 U26.98 U26.102 U26.104 U26.106 U26.108 U26.110 U26.112 U26.113 U26.119 U26.148 U26.161 U26.174 U26.181 U26.194 U26.238 U26.410 U26.445 U26.480 U26.515 U26.544 U26.650 U26.651 U26.652 U26.653 U26.655 U26.656 U26.657 U26.658 U26.659 U26.660 U26.661 U26.674 U26.685 U26.698 U26.709 U26.723 U26.734 U26.747 U26.758 U26.772 U26.783 U26.795 U26.796 U26.797 U26.808 U26.821 U26.822 U26.823 U26.834
/+1.8V_CON_10: PC3252.1 PQ799.1 PU3017.8
/+1.8V_FB_10: PC3252.2 PRN399.7 PU3017.9
/+1.8V_REF_10: PC3256.1 PR3224.1 PR3229.2 PU3017.10
/+1.8VSB: C157.1 C254.1 C261.1 CE15.1 L2.1 L48.2 PCE50.1 PQ793.3 PR3210.1 U17.176 U17.281 U17.284 U17.287 U17.307 U17.319 U26.53
/+1.8VSB_CON_10: PC3222.1 PQ793.1 PU3018.1
/+1.8VSB_FB_10: PC3222.2 PR3210.2 PU3018.2
/+1.8VSB_LAN: CB972.1 CE31.1 Q872.2 R201.1 R1651.2 R1654.1 R1656.1
/+1.8VSB_REF_10: PC3226.1 PR3209.1 PR3211.1 PU3018.3
